# KiCad board sun3_60.kicad_pcb (continued)
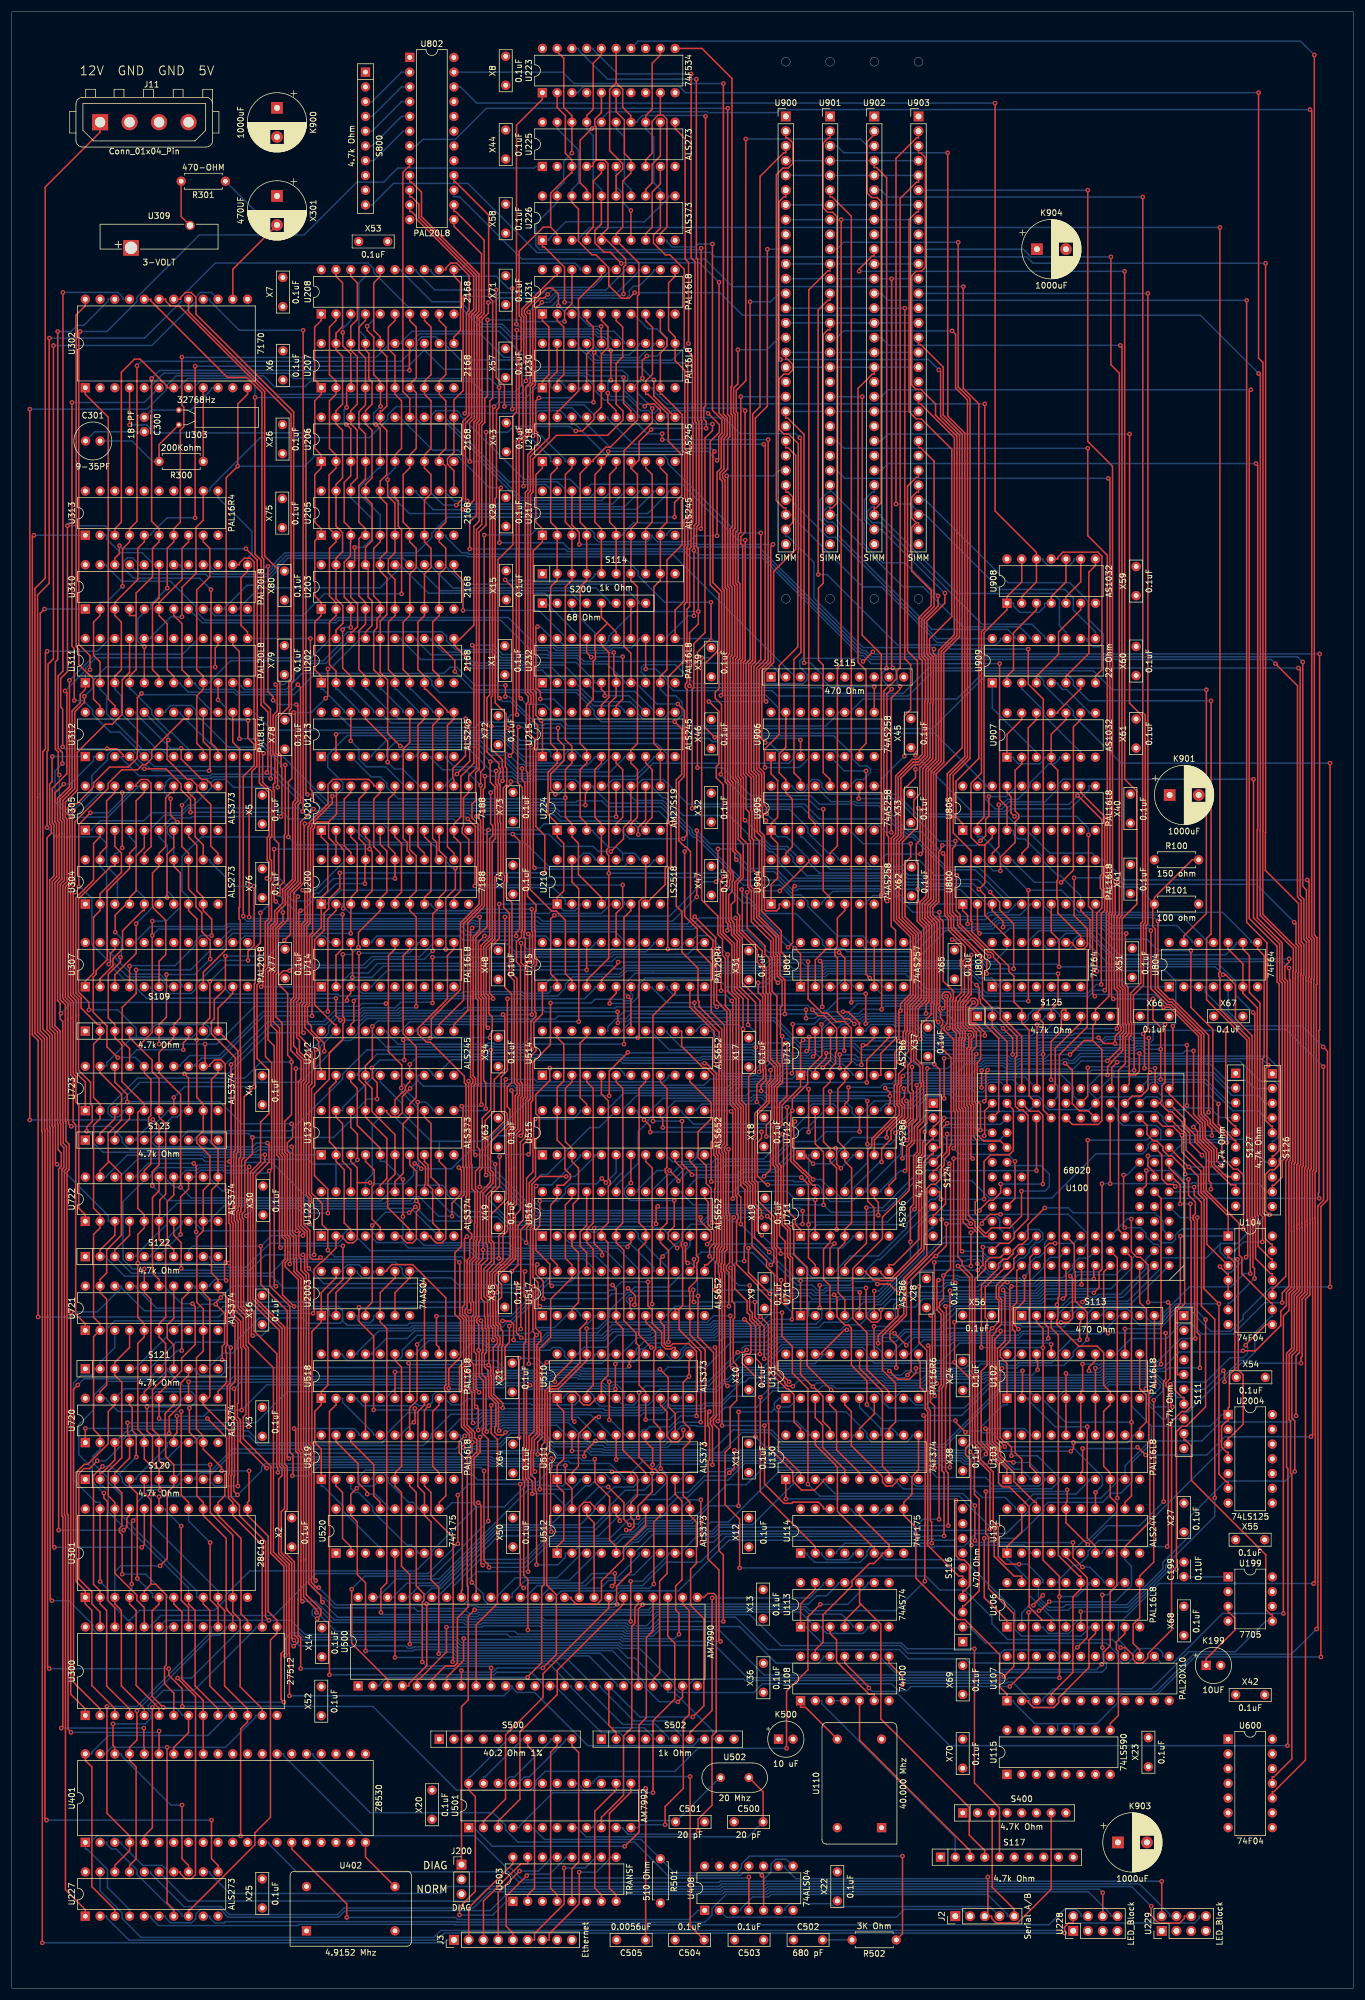
[diagram p0: board, top side]
## Routing (per net, layer and track width the routed paths; a pad name or vN(x,y) marks a point on that pad's centre or on a via; arc(x,y) is an arc through that point) (continued)
/Ethernet/A25: length 380
  Top w0.25: v1(162.42,114.7) v1(162.42,107.81) 162.42,107.66 165.04,105.04 165.04,93.73 164.35,93.03 164.35,91.87 165.21,91.01 165.21,76.44 v1(165.33,76.32) ; v1(72.53,178.66) 72.53,185.01 73.66,186.14 U200.9 73.66,187.83 74.79,188.95 74.79,194.79 73.66,195.91 73.66,198.27 73.66,198.27 U201.9 ; v1(47.92,124.73) 48,124.81 48,126.66 48,126.66 48,129.26 47.5,129.77 47.5,143.57 47.05,144.01 47.05,149.29 48.21,150.45 v1(48.21,159.5) 48.21,160 47.55,160.66 47.55,171.32 45.98,172.89 45.98,174.4 46.8,175.22 v1(47.86,175.22) ; v1(87.79,112.04) 86.97,112.86 v1(86.97,121.35) ; v1(182.38,122.64) 182.75,122.27 182.75,115.38 182.04,114.67 v1(180.78,114.67) ; v1(124.17,106.78) 123.81,107.15 v1(123.81,115.8) ; U723.4 20.32,149.73 17.78,147.19 S123.3
  Bottom w0.25: v1(47.86,175.22) 48.38,175.73 61.01,175.73 62.47,177.19 71.06,177.19 v1(72.53,178.66) ; v1(47.92,124.73) 48.25,125.06 66.1,125.06 67.31,123.85 67.31,123.11 68.09,122.34 75.76,122.34 76.92,121.18 86.8,121.18 v1(86.97,121.35) ; v1(180.78,114.67) 180.75,114.7 v1(162.42,114.7) ; v1(87.79,112.04) 88.06,111.77 91.11,111.77 92.23,112.88 100.93,112.88 102.76,114.72 119.85,114.72 120.93,115.8 v1(123.81,115.8) ; v1(165.33,76.32) 174.32,76.32 175.42,75.22 175.42,74.94 U132.3 ; U100.32 187.79,128.45 187.79,123.97 187.2,123.37 183.11,123.37 v1(182.38,122.64) ; v1(48.21,159.5) 42.96,159.5 40.19,156.73 21.69,156.73 16.6,151.64 16.6,150.73 17.31,150.01 18.35,150.01 19.19,150.86 19.19,151.14 U723.4 ; v1(124.17,106.78) 124.32,106.92 129.44,106.92 132.87,110.36 146.59,110.36 147.24,109.7 147.24,108.99 148.6,107.63 162.24,107.63 v1(162.42,107.81)
/Ethernet/A26: length 462.7
  Top w0.25: U201.17 66.04,205.89 64.91,204.77 64.91,196.57 66.04,195.45 U200.17 v1(66.04,191.1) ; v1(170.94,53.72) 172.62,55.41 172.62,64.52 168.28,68.86 168.28,77.8 167.81,78.27 v1(167.81,85.56) ; v1(198.8,112.83) 198.8,104.85 198.43,104.49 v1(198.43,83.8) ; v1(47.13,57.32) 47.36,57.55 47.36,72.86 45.1,75.12 45.1,106.86 40.8,111.15 40.8,116.01 39.49,117.32 39.49,132.27 39.24,132.52 39.24,133.5 39.49,133.75 39.49,134.34 39.61,134.46 39.61,142.59 40.06,143.04 40.06,153.52 v1(41.8,155.27) 41.8,172.93 41.95,173.07 41.95,179.12 42.86,180.04 v1(42.86,185.18) ; v1(188.9,112.83) 188.12,113.61 188.12,123.33 U100.5 ; U723.7 v1(27.94,153.4) ; v1(181.84,85.85) 181.84,83.9 181.62,83.69 U132.16 181.62,80.17 v1(185.4,76.4)
  Bottom w0.25: v1(47.13,57.32) 47.13,60.21 48.12,61.19 49.6,61.19 50.33,60.46 76.61,60.46 77.56,59.51 104.76,59.51 105.22,59.05 121.19,59.05 126.76,53.48 170.7,53.48 v1(170.94,53.72) ; v1(198.43,83.8) 194.29,79.66 188.66,79.66 v1(185.4,76.4) ; v1(66.04,191.1) 55.44,191.1 52.91,188.56 52.27,188.56 50.94,187.23 48.49,187.23 46.29,189.43 45.36,189.43 44.32,188.39 44.32,186.64 v1(42.86,185.18) ; v1(41.8,155.27) 29.81,155.27 v1(27.94,153.4) ; v1(167.81,85.56) 181.54,85.56 v1(181.84,85.85) ; U723.7 27,151.14 24.73,148.87 23.97,148.87 21.45,146.34 21.45,146.06 S123.4 ; v1(188.9,112.83) v1(198.8,112.83)
/Ethernet/A27: length 434.6
  Top w0.25: v1(183.59,58.72) 185.3,60.43 185.3,70.68 181.62,74.36 U132.5 ; v1(190.47,84.43) 190.47,125.77 U100.18 ; U723.8 30.48,156.77 v1(29.77,157.48) ; U200.18 63.5,195.45 62.37,196.57 62.37,204.77 63.5,205.89 U201.18 62.37,207.02 62.37,207.3 61.51,208.16 55.36,208.16 54.51,207.31 54.51,203.97 51.29,200.74 51.29,200.22 51.03,199.97 51.03,188.85 50.96,188.77 50.96,185.1 50.96,185.1 50.96,183.57 50.4,183.01 50.4,169.68 50.04,169.32 50.04,164.77 v1(50.29,164.52) ; v1(52.64,63.65) 53.26,64.27 53.26,65.29 50.75,67.8 50.75,73.95 50.74,73.95 50.74,92.67 50.29,93.12 50.29,122.41 49.1,123.6 49.1,125.73 49.02,125.81 49.02,129.52 48.41,130.14 48.41,144.73 v1(48.23,144.91)
  Bottom w0.25: v1(50.29,164.52) 44.32,164.52 37.28,157.48 v1(29.77,157.48) ; v1(183.59,58.72) 182.9,58.03 182.9,56.78 182.15,56.03 165.02,56.03 164.31,56.74 154.51,56.74 152.91,58.34 130.27,58.34 124.7,63.9 111.85,63.9 109.94,62 106.15,62 105.67,62.47 104.24,62.47 104.24,62.47 91.54,62.47 91.09,62.93 81.08,62.93 80.81,62.65 78.16,62.65 77.81,63 55.28,63 52.84,65.44 52.14,65.44 51.79,65.09 51.79,64.32 52.46,63.65 v1(52.64,63.65) ; v1(190.47,84.43) 190.47,82.16 185.44,77.13 184.66,77.13 182.75,75.22 182.75,74.94 U132.5 ; U723.8 29.35,151.14 29.35,150.86 28.51,150.01 27.66,150.01 23.99,146.34 23.99,146.06 ; 23.99,146.06 23.99,145.83 24.92,144.9 33.35,144.9 33.8,144.45 41.91,144.45 42.37,144.91 43.67,144.91 43.76,144.82 44.48,144.82 44.57,144.91 v1(48.23,144.91) ; 23.99,146.06 S123.5
/Ethernet/A28: length 559.7
  Top w0.25: v1(130.62,119.59) 130.61,119.59 126.93,123.27 v1(126.93,127.46) ; v1(164.32,95.77) 162.6,97.49 v1(162.6,97.76) ; v1(130.18,132.96) 130.92,132.22 130.92,127.46 131.32,127.07 131.32,125.1 v1(130.78,124.56) ; U132.14 v1(186.71,85.4) ; v1(24.24,138.2) 24.24,140.63 25.4,141.79 S123.6 25.4,148.52 v1(24.33,149.59) ; v1(94.19,289.73) 94.19,291.74 93.19,292.74 92.12,292.74 90.17,290.79 90.17,290.77 88.77,289.37 88.76,289.37 88.33,288.95 88.33,288.34 88.68,288 88.68,276.85 v1(88.61,276.78) ; v1(141.69,119.44) 142.17,118.95 142.17,115.6 143.6,114.17 144.18,114.17 144.66,113.69 144.66,107.29 147.34,104.62 v1(147.34,100.54) ; v1(75.86,132.95) 75.86,135.2 77.49,136.83 77.49,140.88 v1(77.03,141.34) ; v1(3.12,149.53) v1(3.12,271.91) ; U102.1 171.47,107.59 170.32,108.74 170.32,109.84 171.96,111.49 171.96,120.6 v1(172.24,120.88)
  Bottom w0.25: 167.02,95.97 164.52,95.97 v1(164.32,95.77) ; 167.02,95.97 167.33,95.66 168.82,95.66 170.49,94 171.38,94 172.13,93.24 182.75,93.24 187.9,88.09 187.9,86.59 v1(186.71,85.4) ; 167.02,95.97 167.02,96.69 170.81,100.47 171.47,100.47 U102.1 ; v1(3.12,149.53) 24.26,149.53 v1(24.33,149.59) ; v1(147.34,100.54) 150.11,97.76 v1(162.6,97.76) ; U231.3 95.39,288.3 95.39,288.53 v1(94.19,289.73) ; v1(126.93,127.46) 127.88,127.46 v1(130.78,124.56) ; U230.3 95.39,275.6 95.39,275.82 93.99,277.22 89.05,277.22 v1(88.61,276.78) 86.73,274.9 81.11,274.9 79.28,276.73 51.49,276.73 50.55,275.78 45.26,275.78 43.38,277.66 28.37,277.66 26.62,275.91 26.62,275.22 23.31,271.91 v1(3.12,271.91) ; U100.4 190.21,122.89 183.78,122.89 182.8,121.92 177.49,121.92 176.49,120.91 172.28,120.91 v1(172.24,120.88) ; v1(24.24,138.2) 26.79,135.65 50.12,135.65 50.64,135.12 64.31,135.12 64.76,135.57 68.64,135.57 69.39,136.33 70.19,136.33 73.57,132.95 v1(75.86,132.95) ; v1(77.03,141.34) 82.83,141.34 90.69,133.48 129.67,133.48 v1(130.18,132.96) ; v1(130.62,119.59) 130.74,119.72 137.74,119.72 138.13,119.32 141.58,119.32 v1(141.69,119.44)
/Ethernet/A29: length 475.9
  Top w0.25: U102.2 174,102.73 174.14,102.86 v1(174.14,106.34) ; v1(82.55,161.58) 82.55,151.31 81.08,149.85 81.08,141.23 80.63,140.78 v1(80.63,137.98) ; U230.4 99.06,281.37 100.19,282.49 100.19,286.05 99.06,287.17 U231.4 ; v1(124.41,132.75) 124.16,132.5 124.16,124.76 124.57,124.35 124.57,120.46 126.69,118.34 126.69,116.39 127.14,115.94 127.14,115.09 128.16,114.07 128.16,108.51 129.16,107.51 v1(129.16,103.94) ; v1(90.84,273.85) 90.29,273.31 90.29,268.21 90.62,267.89 90.62,265.8 88.92,264.09 88.92,260.24 88.92,260.24 88.92,257.99 88.48,257.56 88.48,222.99 89,222.47 89,221.49 88.65,221.14 88.65,209.58 88.87,209.37 88.87,188.04 90.32,186.58 90.32,185.53 90.11,185.32 90.11,182.12 90.18,182.05 90.18,177.69 90.41,177.46 90.41,176.3 90.11,176 90.11,168.18 90.32,167.97 90.32,167.37 89.46,166.51 89.46,161.88 v1(89.59,161.75) ; v1(199.06,76.07) 199.26,76.27 199.26,103.33 198.89,103.7 198.89,104.3 199.55,104.97 199.55,117.78 v1(199.2,118.13) ; v1(195.78,118.13) 195.78,124.56 194.42,125.91 193.81,125.91 192.9,126.83 v1(192.9,132.47) ; U132.7 186.71,76.12 185.29,77.53 v1(185.29,96.71)
  Bottom w0.25: v1(174.14,106.34) 173.86,106.07 167.46,106.07 167.2,105.8 157.67,105.8 156.55,104.69 151.9,104.69 151.89,104.67 150.53,104.67 149.97,105.23 133.13,105.23 132.11,104.21 129.44,104.21 v1(129.16,103.94) ; v1(89.59,161.75) 89.43,161.58 v1(82.55,161.58) 61.19,161.58 57.01,157.4 57.01,156.56 48.12,147.67 30.4,147.67 29.07,146.34 29.07,146.06 S123.7 ; U132.7 187.83,74.94 187.83,75.22 188.68,76.07 v1(199.06,76.07) ; U102.2 175.13,101.6 175.13,101.32 179.74,96.71 v1(185.29,96.71) ; v1(195.78,118.13) v1(199.2,118.13) ; v1(90.84,273.85) 96.47,273.85 97.93,275.32 97.93,275.6 U230.4 ; v1(124.41,132.75) 124.14,133.03 120.01,133.03 119.01,132.03 118.41,132.03 117.97,132.47 89.8,132.47 84.29,137.98 v1(80.63,137.98) ; U100.31 192.18,132.47 v1(192.9,132.47)
/Ethernet/A30: length 471.7
  Top w0.25: v1(86.47,111.64) 86.47,114.34 85.9,114.92 v1(84.57,114.92) ; v1(72.12,163.64) 72.3,163.82 72.3,166.97 77.33,171.99 77.33,183.48 80.54,186.69 80.54,190.12 80.33,190.33 80.33,200.52 79.3,201.55 79.3,203.89 79.93,204.53 79.93,209.34 80.54,209.94 80.54,250.76 81.74,251.96 v1(81.74,267.96) ; v1(67.65,159.85) 67.65,163.11 v1(67.45,163.31) ; U132.12 191.78,83.69 192.91,84.81 v1(192.91,97.48) 192.91,125.87 U100.17 ; v1(126.24,115.19) 127.35,114.09 127.35,109.56 127,109.21 126.53,109.21 125.87,108.55 125.87,107.62 128.13,105.36 v1(128.13,94.97) ; v1(41.53,112.4) 41.31,112.62 41.31,116.17 39.95,117.52 39.95,132.46 39.69,132.71 39.69,133.31 40.17,133.79 40.17,142.39 41.49,143.71 v1(41.49,146.51) ; v1(62.07,158.47) 62.15,158.39 62.15,156.77 62.97,155.95 v1(62.97,153.14) ; U231.5 101.6,287.17 102.73,286.05 102.73,282.53 101.6,281.4 U230.5 101.6,272.28 100.33,271.01 100.33,270.15 98.33,268.15 v1(97.18,268.15)
  Bottom w0.25: v1(72.12,163.64) 71.79,163.31 v1(67.45,163.31) ; v1(62.97,153.14) 61.28,153.14 59.55,151.41 59.55,150.61 55.45,146.51 v1(41.49,146.51) 40.81,147.19 32.45,147.19 31.61,146.34 31.61,146.06 S123.8 ; v1(97.18,268.15) 96.95,268.15 96.16,268.94 86.45,268.94 85.47,267.96 v1(81.74,267.96) ; v1(128.13,94.97) 129.91,93.19 160.71,93.19 170.29,102.77 175.38,102.77 U102.3 177.67,101.6 177.67,101.34 181.54,97.48 v1(192.91,97.48) ; v1(62.07,158.47) 63.45,159.85 v1(67.65,159.85) ; v1(86.47,111.64) 86.8,111.32 91.3,111.32 92.41,112.43 101.65,112.43 103.49,114.27 120.24,114.27 120.92,114.94 126,114.94 v1(126.24,115.19) ; v1(84.57,114.92) 83.77,114.12 69.08,114.12 68.63,113.67 44.41,113.67 43.14,112.4 v1(41.53,112.4)
/Ethernet/A31: length 344.2
  Top w0.25: v1(171.95,51.98) 175.18,55.21 v1(175.18,64.74) ; 195.5,103.25 195.91,102.84 195.91,93.89 196.08,93.72 196.08,80.36 191.78,76.07 U132.9 ; 195.5,103.25 195.5,116.92 194.32,118.09 U100.3 ; 195.5,103.25 v1(195.39,103.25) ; v1(48.58,58.92) 48.62,58.92 49.34,59.64 49.34,60.24 48.92,60.67 48.83,60.67 48.72,60.78 48.72,73.42 47.13,75 47.13,82.12 47.48,82.47 47.48,89.85 47.03,90.3 47.03,113.85 42.05,118.83 42.05,139.93 44.34,142.22 44.34,145.27 v1(44.06,145.55) ; v1(176.97,65.02) 177.19,65.02 v1(178.74,66.57)
  Bottom w0.25: v1(195.39,103.25) 194.99,102.84 181.25,102.84 180.21,101.81 180.21,101.6 U102.4 ; v1(44.06,145.55) 42.14,145.55 41.5,144.9 35.02,144.9 34.15,145.78 34.15,146.06 S123.9 ; v1(176.97,65.02) 175.46,65.02 v1(175.18,64.74) ; v1(178.74,66.57) 190.12,66.57 192.91,69.37 192.91,72.69 191.78,73.81 U132.9 ; v1(48.58,58.92) 47.87,59.63 47.87,60.24 48.38,60.74 49.41,60.74 50.15,60 76.43,60 77.37,59.06 104.57,59.06 105.09,58.55 108.17,58.55 114.19,52.53 114.19,51.82 115.07,50.94 127.84,50.94 129.34,52.45 151.59,52.45 152.78,51.26 154.2,51.26 154.92,51.98 v1(171.95,51.98)
/Ethernet/E.A16: length 20
  Bottom w0.25: U500.39 83.69,67.32 83.69,67.6 86.79,70.71 93.98,70.71 97.93,74.66 97.93,74.94 U512.3
/Ethernet/E.A17: length 20.2
  Bottom w0.25: U512.4 100.47,74.94 100.47,74.66 96.07,70.25 88.49,70.25 86.23,67.99 86.23,67.32 U500.38
/Ethernet/E.A18: length 25.1
  Bottom w0.25: U512.7 108.09,74.94 108.09,74.53 104.27,70.71 100.22,70.71 98.87,69.35 90.52,69.35 88.77,67.6 88.77,67.32 U500.37
/Ethernet/E.A19: length 25.1
  Bottom w0.25: U500.36 91.31,67.32 91.31,67.59 92.61,68.9 101.46,68.9 102.82,70.26 105.08,70.26 106.02,71.2 107.17,71.2 110.63,74.66 110.63,74.94 U512.8
/Ethernet/E.A20: length 32.4
  Top w0.25: v1(110.63,69.63) 110.63,80.31 111.76,81.43 U512.13
  Bottom w0.25: v1(110.63,69.63) 109.91,68.9 104.27,68.9 103.82,68.45 94.71,68.45 93.85,67.59 93.85,67.32 U500.35
/Ethernet/E.A21: length 26.1
  Top w0.25: U500.34 96.39,67.32 96.39,67.04 97.26,66.16 100.85,66.16 101.61,66.93 101.61,70.15 105.41,73.95 105.41,75.89 109.22,79.7 U512.14
/Ethernet/E.A22: length 20.4
  Top w0.25: U512.17 100.47,82.56 100.47,82.84 99.63,83.69 98.56,83.69 97.8,82.93 U500.33
/Ethernet/E.A23: length 15.8
  Top w0.25: U500.32 100.34,80.15 99.06,81.43 U512.18
/Ethernet/E.ALE: length 150.3
  Top w0.25: U510.11 116.84,108.09 116.7,107.95 v1(116.7,105.36) 115.7,104.36 115.7,97.53 116.84,96.39 U511.11 116.84,94.13 115.69,92.99 115.69,84.83 116.84,83.69 U512.11 116.84,81.43 117.97,80.31 117.97,73.18 116.97,72.18 116.97,65.94 119.25,63.66 119.25,48.64 v1(117.34,46.74) ; S502.2 104.14,44.04 102.88,45.3 U500.18 ; U518.6 v1(66.04,106.12)
  Bottom w0.25: v1(66.04,106.12) 77.58,106.12 78.29,105.41 79.09,105.41 79.53,105.85 82.16,105.85 83.26,106.95 84,106.95 85.01,105.94 90.16,105.94 90.66,105.44 92.92,105.44 93.09,105.61 97.61,105.61 97.86,105.36 v1(116.7,105.36) ; v1(117.34,46.74) 108.22,46.74 U500.18
/Ethernet/E.BM0-: length 80.4
  Top w0.25: U519.7 68.58,86.51 69.71,85.39 69.71,69.27 71.03,67.95 71.03,66.81 70.75,66.53 v1(70.75,56.21)
  Bottom w0.25: S502.5 110.63,42.92 110.63,43.19 108.94,44.88 103.3,44.88 96.39,51.8 96.39,52.08 U500.15 95.26,53.21 92.57,55.9 76.65,55.9 76.27,55.52 71.45,55.52 v1(70.75,56.21)
/Ethernet/E.BM1-: length 78
  Top w0.25: U519.8 71.12,86.51 72.25,85.39 72.25,81.44 76.07,77.62 76.07,56.34 v1(75.97,56.24)
  Bottom w0.25: v1(75.97,56.24) 76.08,56.35 93.76,56.35 98.03,52.08 ; 98.03,52.08 U500.16 ; 98.03,52.08 98.93,52.08 98.93,51.8 105.26,45.47 110.9,45.47 113.17,43.19 113.17,42.92 S502.6
/Ethernet/E.CBA: length 77
  Top w0.25: v1(73.18,115.75) 73.18,110.82 73.66,110.35 U518.12 ; U517.23 93.98,124.59 92.85,125.72 92.85,134.91 93.98,136.03 U516.23 93.98,138.29 95.11,138.29 96.27,139.45 96.27,140.1 95.32,141.05 95.32,144.71 93.98,146.06 U515.23 93.98,155.13 95.12,156.26 95.12,162.57 93.98,163.71 U514.23
  Bottom w0.25: U517.23 92.85,123.47 92.85,122.58 86.02,115.75 v1(73.18,115.75)
/Ethernet/E.CLSW: length 73.2
  Top w0.25: v1(105.62,24.47) 108.09,26.94 108.09,45.37 109.34,46.62 109.34,60.41 110.5,61.57 U500.28
  Bottom w0.25: U501.1 79.87,27.68 79.87,27.43 82.83,24.47 v1(105.62,24.47)
/Ethernet/E.CO+: length 46.1
  Top w0.25: v1(77.15,12.63) 77.15,13.98 79.88,16.71 79.88,33.03 78.74,34.17 U501.24
  Bottom w0.25: v1(77.15,12.63) 82.88,12.63 85.23,14.98 U503.1 ; S500.6 85.23,42.92 85.23,42.63 79.02,36.42 78.74,36.42 U501.24
/Ethernet/E.CO+<>: length 17.4
  Top w0.25: J3.2 78.74,13.85 86.36,21.47 U503.16
/Ethernet/E.CO-: length 40.5
  Top w0.25: U503.2 88.9,16.1 90.08,17.28 90.08,40.61 88.9,41.79 S500.7
  Bottom w0.25: S500.7 87.77,42.92 87.77,42.63 81.56,36.42 81.28,36.42 U501.23
/Ethernet/E.CO-<>: length 18.1
  Top w0.25: J3.3 81.28,15.03 87.72,21.47 88.9,21.47 U503.15
/Ethernet/E.CREQ-: length 13.8
  Top w0.25: U519.2 55.88,86.51 57.01,85.39 57.01,77.48 58.42,76.07 U520.2
/Ethernet/E.CSX-: length 14.8
  Top w0.25: U520.13 63.5,83.69 62.37,84.81 62.37,90.18 58.42,94.13 U519.18
/Ethernet/E.D0: length 125
  Top w0.25: v1(82.61,100.37) 82.61,95.58 83.69,94.51 83.69,66.27 80.02,62.6 U500.9 ; U510.3 99.06,102.73 100.19,103.85 100.19,127.29 99.06,128.41 U516.4 99.06,130.67 100.19,131.79 100.19,154.96 99.06,156.09 U514.4
  Bottom w0.25: v1(82.61,100.37) 82.93,100.68 89.44,100.68 89.66,100.46 97,100.46 97.93,101.4 97.93,101.6 U510.3
/Ethernet/E.D1: length 135.1
  Top w0.25: U514.5 101.6,154.01 102.79,152.82 102.79,139.36 103.11,139.04 103.11,138.44 102.79,138.12 102.79,131.86 101.6,130.67 U516.5 102.73,128.41 102.73,105.56 101.6,104.42 U510.4 100.47,101.6 100.47,101.32 99.63,100.47 98.52,100.47 97.85,101.14 97.85,101.94 97.02,102.77 93.06,102.77 92.74,102.44 92.74,92.29 92.24,91.79 92.24,89.81 92.17,89.74 92.17,69.46 93.85,67.79 93.85,57.5 v1(91.52,55.17) ; U500.8 v1(77.48,54.72)
  Bottom w0.25: v1(77.48,54.72) 77.75,54.45 82.91,54.45 83.34,54.87 83.64,55.17 v1(91.52,55.17)
/Ethernet/E.D2: length 168.5
  Top w0.25: U500.7 74.94,53.55 77.86,56.47 v1(77.86,60.25) ; v1(122.13,59.74) 121.84,60.02 121.84,72.04 119.98,73.9 119.98,90.81 120.22,91.05 120.22,96.61 119.93,96.9 119.93,99.04 v1(120.2,99.31) ; U514.6 104.14,156.09 105.27,154.96 105.27,131.79 104.14,130.67 U516.6 104.14,128.41 105.46,127.1 105.46,114.98 107.58,112.86 107.58,111.09 108.09,110.58 108.09,103.85 109.22,102.73 U510.7 v1(109.22,97.92)
  Bottom w0.25: v1(77.86,60.25) 78.03,60.07 104.87,60.07 105.21,59.74 v1(122.13,59.74) ; v1(120.2,99.31) 114.71,99.31 113.32,97.92 v1(109.22,97.92)
/Ethernet/E.D3: length 214.4
  Top w0.25: v1(106.09,127.68) 106.09,127.82 106.68,128.41 U516.7 ; 79.31,94.04 v1(79.41,94.04) ; 79.31,94.04 79.31,95.54 77.95,96.9 77.95,102.74 77.61,103.08 77.61,106.82 78.32,107.53 78.32,115.38 77.67,116.03 77.67,117.31 78.01,117.66 78.01,129.01 v1(78.42,129.43) ; 79.31,94.04 79.31,92.41 78.49,91.59 78.49,69.28 78.62,69.15 78.62,65.62 76.79,63.8 76.79,56.04 76.27,55.52 74.71,55.52 72.4,53.21 U500.6 ; v1(100.59,94.27) 98.67,92.34 v1(98.67,91.59) ; U510.8 111.76,100.47 112.89,99.35 112.89,95 113.76,94.13 114.8,94.13 115.71,95.05 v1(115.71,96.14) ; v1(88.64,128.38) 88.71,128.45 88.71,130.95 89.16,131.41 89.16,138.67 90.25,139.76 90.25,146.1 90.92,146.77 90.92,150 90.29,150.62 90.29,153.89 92.71,156.32 v1(92.71,158.44)
  Bottom w0.25: v1(79.41,94.04) 79.93,94.04 80.22,93.75 84.11,93.75 85.98,95.62 90.26,95.62 94.08,91.79 98.46,91.79 v1(98.67,91.59) ; v1(115.71,96.14) 115.71,95.05 114.8,94.13 113.09,94.13 112.55,93.6 102.61,93.6 102.11,94.09 100.77,94.09 v1(100.59,94.27) ; v1(106.09,127.68) 105.88,127.88 89.14,127.88 v1(88.64,128.38) 87.59,129.43 v1(78.42,129.43) ; v1(92.71,158.44) 104.61,158.44 105.55,157.5 105.55,157.22 U514.7
/Ethernet/E.D4: length 172.6
  Top w0.25: v1(121.18,110.35) 121.37,110.15 121.37,98.43 120.9,97.96 120.9,97.2 121.84,96.26 121.84,75.39 122.6,74.63 v1(122.6,63.18) ; U500.5 69.86,53.21 70.19,53.21 74.9,57.91 v1(74.9,62.2) ; v1(110.21,110.36) 108.05,112.52 108.05,127.24 109.22,128.41 U516.8 109.22,130.67 108.09,131.79 108.09,154.96 109.22,156.09 U514.8
  Bottom w0.25: v1(74.9,62.2) 80.99,62.2 81.22,62.43 90.95,62.43 91.36,62.02 105.49,62.02 105.96,61.55 110.13,61.55 111.75,63.17 122.59,63.17 v1(122.6,63.18) ; v1(110.21,110.36) 111.75,110.36 111.76,110.35 U510.13 112.89,109.22 112.89,109.04 113.88,108.04 114.76,108.04 115.71,108.99 115.71,109.69 116.37,110.35 v1(121.18,110.35)
/Ethernet/E.D5: length 150.8
  Top w0.25: U500.4 68.45,52.08 68.45,52.5 71.51,55.56 v1(71.51,66.19) ; v1(88.98,71.76) 88.98,87.36 88.53,87.81 88.53,92.81 88.7,92.97 88.7,103.25 v1(89.3,103.86) ; v1(113.16,111.28) 113.16,127.01 111.76,128.41 U516.9 111.76,130.67 112.89,131.79 112.89,140.24 112.61,140.52 112.61,141.12 112.89,141.4 112.89,147.5 112.9,147.51 112.9,154.95 111.76,156.09 U514.9 ; v1(104.01,107.52) v1(104.01,103.21)
  Bottom w0.25: 108.63,109.22 108.63,109.26 108.08,109.8 108.08,109.9 108.27,110.09 108.91,110.09 109.92,111.1 112.98,111.1 v1(113.16,111.28) ; 108.63,109.22 U510.14 ; 108.63,109.22 107.25,107.85 104.33,107.85 v1(104.01,107.52) ; v1(71.51,66.19) 77.95,66.19 78.66,66.9 78.66,69.43 78.54,69.55 78.54,70.2 80.1,71.76 v1(88.98,71.76) ; v1(89.3,103.86) 89.52,103.63 92.72,103.63 93.1,103.26 94.07,103.26 94.52,103.71 101.86,103.71 102.09,103.48 102.09,103.44 102.27,103.26 102.46,103.26 102.51,103.21 v1(104.01,103.21)
/Ethernet/E.D6: length 222
  Top w0.25: v1(101.74,126.24) 101.74,126.87 100.34,128.26 v1(100.34,130.91) ; 80.55,109.87 v1(80.45,109.87) ; 80.55,109.87 80.55,105.33 81.26,104.61 81.26,96.48 81.11,96.32 81.11,95.55 82.11,94.55 v1(82.11,80.47) ; 80.55,109.87 80.47,109.94 80.47,114.31 80.13,114.65 80.13,115.26 80.47,115.6 80.47,118.48 80.46,118.5 80.46,124.84 81.2,125.58 v1(81.2,127.17) 81.2,136.88 82.92,138.6 82.92,140.51 82.5,140.93 82.5,145.81 85.34,148.66 85.34,148.67 85.4,148.72 85.4,150.58 84.92,151.05 84.92,156.31 v1(85.14,156.52) ; v1(58.57,68.74) 58.57,59.42 64.78,53.21 U500.3
  Bottom w0.25: U514.10 113.17,157.22 113.17,156.93 112.33,156.09 90.5,156.09 90.07,156.52 v1(85.14,156.52) ; v1(81.2,127.17) 81.49,126.88 85.83,126.88 86.18,126.53 101.44,126.53 v1(101.74,126.24) ; U516.10 113.17,129.54 113.17,129.82 112.09,130.9 110.73,130.9 110.45,131.18 100.61,131.18 v1(100.34,130.91) ; v1(82.11,80.47) 72.62,70.98 60.81,70.98 v1(58.57,68.74) ; v1(80.45,109.87) 92.72,109.87 93.21,110.35 94.51,110.35 95.25,109.61 95.25,108.85 96.01,108.09 99.63,108.09 100.47,108.94 100.47,109.22 U510.17
/Ethernet/E.D7: length 154.9
  Top w0.25: v1(120.7,131.85) 120.52,132.03 120.52,137.74 119.66,138.6 119.66,141.65 118.25,143.05 118.25,147.48 120.52,149.75 120.52,150.88 120.51,150.88 120.51,152.46 116.84,156.13 U514.11 ; v1(99.06,113.61) U510.18 99.06,108.09 94.18,103.22 92.87,103.22 92.29,102.63 92.29,93 91.79,92.51 91.79,90.38 91.72,90.31 91.72,69.52 91.31,69.11 91.31,56.07 88.9,53.66 v1(88.9,53.54)
  Bottom w0.25: v1(99.06,113.61) 100.98,113.61 103.01,115.64 103.01,116.73 106.09,119.81 106.48,119.81 106.91,120.24 106.91,120.37 107.29,120.74 113.2,120.74 115.71,123.25 115.71,126.72 116.84,127.85 U516.11 116.84,130.67 119.52,130.67 v1(120.7,131.85) ; v1(88.9,53.54) 64.6,53.54 63.37,52.31 63.37,52.08 U500.2
/Ethernet/E.D8: length 120.9
  Top w0.25: v1(90.99,117.43) 90.71,117.71 90.71,121.52 89.83,122.4 89.83,130.79 90.07,131.03 90.07,137.86 v1(90.35,138.15) ; U517.4 99.06,114.72 97.93,113.59 97.93,107.75 93.88,103.71 92.72,103.71 91.83,102.82 91.83,94.04 91.34,93.54 91.34,90.56 90.99,90.22 v1(90.99,85.93)
  Bottom w0.25: v1(90.35,138.15) 90.57,138.37 93.06,138.37 97.93,143.24 97.93,143.52 U515.4 ; U511.3 97.93,87.64 97.93,87.36 96.51,85.93 v1(90.99,85.93) 89.08,85.93 73.63,70.48 66.24,70.48 63.37,67.6 63.37,67.32 U500.47 ; v1(90.99,117.43) 96.63,117.43 97.93,116.13 97.93,115.84 U517.4
/Ethernet/E.D9: length 134.3
  Top w0.25: v1(89.71,85.16) 89.71,87.27 88.98,88 88.98,92.62 89.15,92.78 89.15,95.1 90.03,95.98 90.03,112.09 v1(90.43,112.49) 89.8,113.13 89.8,120.05 89.25,120.6 89.25,121.2 89.38,121.32 89.38,130.98 89.61,131.22 89.61,138.44 90.98,139.8 v1(95.53,139.8)
  Bottom w0.25: v1(89.71,85.16) 93.33,85.16 95.39,83.1 ; U511.4 100.47,87.64 100.47,87.36 99.63,86.51 98.81,86.51 95.39,83.1 ; U515.5 100.47,143.52 100.47,143.24 97.04,139.8 v1(95.53,139.8) ; U500.46 65.91,67.32 65.91,67.6 68.11,69.8 73.59,69.8 83.59,79.81 91.85,79.81 92.3,80.26 93.34,80.26 95.39,82.31 95.39,83.1 ; U517.5 100.47,115.84 100.47,115.65 99.16,114.34 98.76,114.34 97.76,113.34 91.27,113.34 v1(90.43,112.49)
/Ethernet/E.D10: length 132.7
  Top w0.25: v1(93.03,120.95) 92.71,121.26 92.71,124.71 90.31,127.11 90.31,130.64 90.98,131.31 v1(90.98,135.56) ; v1(103.51,121.09) 104.14,120.46 U517.6 104.14,114.72 105.29,113.57 105.29,92.69 109.22,88.77 U511.7 ; v1(102.38,138.74) v1(101.67,139.45)
  Bottom w0.25: v1(102.38,138.74) 104.14,140.49 U515.6 ; U511.7 108.09,87.64 108.09,87.36 107.06,86.33 103.78,86.33 103.07,85.62 103.02,85.62 100.33,82.93 100.33,82.18 97.96,79.81 92.48,79.81 92.03,79.36 83.78,79.36 73.77,69.35 70.28,69.35 68.45,67.51 68.45,67.32 U500.45 ; v1(90.98,135.56) 94.07,135.56 95.39,136.89 95.39,137.67 96.24,138.52 100.74,138.52 v1(101.67,139.45) ; v1(93.03,120.95) 93.17,121.09 v1(103.51,121.09)
/Ethernet/E.D11: length 145.8
  Top w0.25: v1(116.46,124.9) 116.09,125.27 v1(116.09,128.13) ; v1(120.73,90.14) 120.73,96.73 120.38,97.08 120.38,98.08 120.92,98.62 120.92,109.48 118.22,112.18 118.22,117.84 118.26,117.88 v1(118.26,119.22) ; v1(114.64,127.47) 113.11,129.01 113.11,130.15 114.16,131.2 v1(114.16,135.66) ; U517.7 106.68,116.97 106.53,117.13 106.53,118.48 v1(106.68,118.64) ; U515.7 v1(106.68,138.67)
  Bottom w0.25: 111.2,87.64 110.63,87.64 110.63,87.44 108.96,85.76 105.7,85.76 102.87,82.93 102.87,82.18 100.04,79.36 92.67,79.36 92.25,78.93 92.22,78.91 83.96,78.91 73.96,68.9 72.38,68.9 70.8,67.32 U500.44 ; 111.2,87.64 U511.8 ; 111.2,87.64 111.2,89.06 111,89.25 111,89.71 111.55,90.26 120.61,90.26 v1(120.73,90.14) ; 118.14,119.22 v1(118.26,119.22) ; 118.14,119.22 107.26,119.22 v1(106.68,118.64) ; 118.14,119.22 118.14,123.78 117.03,124.9 v1(116.46,124.9) ; v1(114.64,127.47) 115.3,128.13 v1(116.09,128.13) ; v1(114.16,135.66) 106.57,135.66 105.55,136.68 105.55,137.68 106.55,138.67 v1(106.68,138.67)
/Ethernet/E.D12: length 109.1
  Top w0.25: U517.8 109.22,114.72 110.93,113 110.93,110.06 110.61,109.74 110.61,97.54 111.76,96.39 U511.13 111.76,89.56 v1(111.82,89.5) ; v1(110.35,117.83) 110.35,131.28 110.3,131.33 110.3,131.93 110.35,131.98 110.35,141.27 109.22,142.39 U515.8
  Bottom w0.25: U517.8 110.35,115.84 v1(110.35,117.83) ; v1(111.82,89.5) 112.89,88.43 112.89,87.14 110.75,85 107.53,85 105.41,82.88 105.41,82.2 101.11,77.9 83.83,77.9 73.53,67.6 73.53,67.32 U500.43
